# Altium PCB v3stiny.PcbDoc (part 2 of 2)
Units mm, origin at the board's own origin, x right, y up, seen from the top; angles counter-clockwise.
Board outline 63.83 x 34.29 mm, 2 copper layers (Top Layer, Bottom Layer), stack 0.871 mm thick; 140 components, 108 nets, 647 pads, 214 vias.
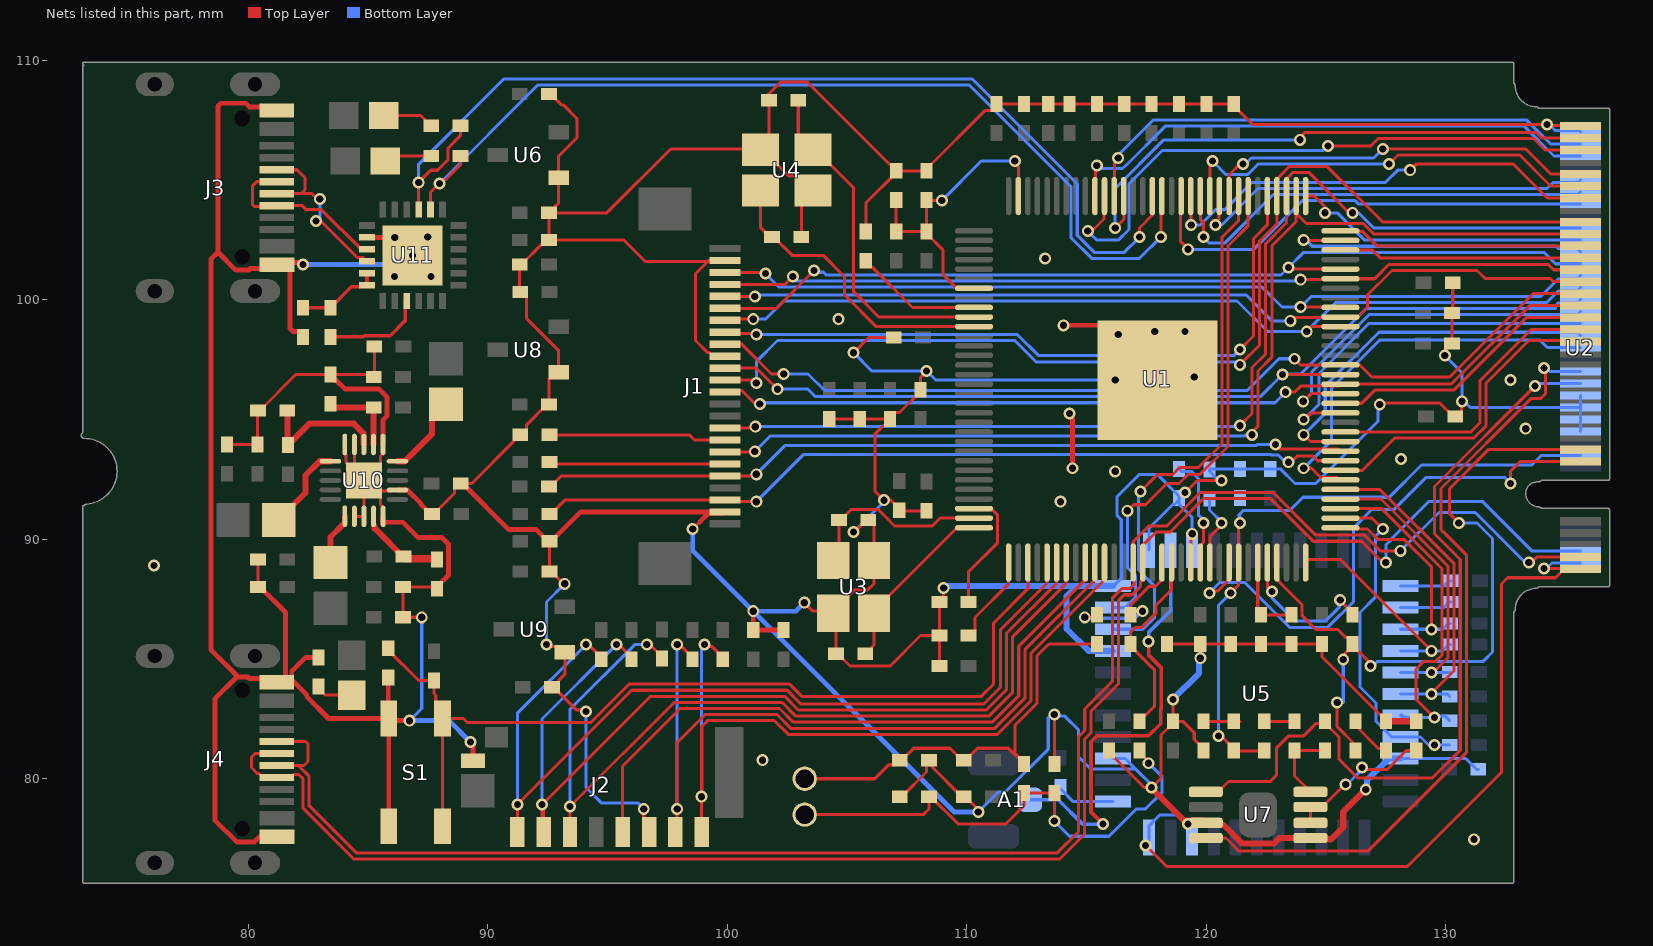
[diagram p2: the nets of this part, all layers, seen from the top]

## Via types
v1: diameter 0.5, hole 0.3, Top Layer to Bottom Layer, tented both sides, 214 vias

## Nets (pads, with @x,y where several pads share a name; then routed paths per layer and width w, separated by ;. In a path a pad name is that pad's centre, name@x,y a point inside that pad or via, vN(x,y) a via of type N, cw(c..) or ccw(c..) an arc to the next point about the centre after c; other vN are vias at no path point) (continued)
GND: C1.2 C2.2 C3.2 C5.1 C6.1 C7.2 C8.1 C9.1 C10.1 C11.1 C12.1 C13.1 C14.1 C15.1 C16.1 C17.1 C18.1 C19.1 C20.1 C21.1 C22.1 C23.1 C24.1 C25.1 C26.1 C27.1 C28.1 C29.1 C30.1 C31.1 C32.2 C33.1 C34.1 C35.1 C37.2 C38.1 C39.2 C40.2 C41.2 C42.1 C44.1 C45.1 C46.1 C47.1 C48.1 C49.1 C50.1 C51.1 C52.1 C53.1 C55.1 C56.1 C57.1 C58.2 C60.2 C61.2 C62.2 C63.1 C64.2 C65.2 C66.2 C67.2 C69.2 C70.2 C71.2 C73.2 C74.2 C75.1 J1.2 J1.15 J1.23 J2.6 J2.10 J3.A1 J3.A12 J3.B1 J3.B12 J4.A1 J4.A12 J4.B1 J4.B12 R1.2 R2.1 R4.2 R6.2 R11.2 R16.1 R25.2 R36.2 R38.2 R39.1 R41.2 S1.1 U1.116 U1.129 U2.1 U2.2 U2.46 U2.48 U2.50 U2.52 U2.74 U2.75 U3.2 U3.4 U4.2 U4.4 U5.1 U5.3 U5.20 U5.31 U5.33 U5.36 U5.41 U5.44 U6.1 U7.1 U7.7 U8.1 U9.1 U10.1 U10.4 U10.5 U10.12 U10.13 U10.15 U10.17 U10.21 U11.2 U11.25 | length 459.3
  Top Layer w0.127: C69.2@79.121,93.955 C70.2@80.391,93.955 80.391,95.352 R38.2@80.416,95.377 80.493,95.377 81.991,96.876 R41.2@83.439,96.876 85.141,96.876 C74.2@85.242,96.774 85.268,96.799 C73.2@85.268,98.044 ; C67.2@80.416,88.011 C64.2@80.416,89.154 ; U10.5@84.036,93.956 84.036,93.586 84.077,93.546 84.077,93.215 U10.21@84.436,92.856 ; U10.12@84.436,90.956 U10.13@84.836,90.956 U10.21@84.836,92.456 ; U10.4@84.436,93.956 U10.21@84.436,92.856 ; U10.21@85.344,91.948 85.523,91.769 85.523,91.439 85.636,91.326 U10.15@85.636,90.956 ; U10.1@85.636,93.956 85.636,93.586 85.523,93.473 85.523,93.143 U10.21@84.836,92.456 ; U10.17@86.236,92.056 86.013,92.056 85.979,92.022 85.27,92.022 U10.21@84.836,92.456 ; v1(87.249,86.741) C60.2@86.462,86.741 C61.2@86.462,88.011 87.808,88.011 R36.2@87.884,87.935 ; C65.2@87.681,91.059 87.757,91.059 88.608,91.91 88.608,92.138 88.798,92.329 C66.2@88.875,92.329 ; C66.2@88.951,92.329 89.332,92.329 91.097,94.094 91.097,94.17 91.288,94.361 R11.2@91.364,94.361 91.44,94.361 91.63,94.551 91.63,94.78 92.481,95.631 C50.1@92.558,95.631 92.558,96.681 92.844,96.967 U8.1@92.969,96.967 92.969,97.873 91.63,99.211 91.63,100.139 91.415,100.355 91.338,100.355 C52.1@91.338,101.473 91.415,101.473 92.24,102.298 92.367,102.298 C46.1@92.558,102.489 ; C44.1@92.558,108.585 92.634,108.585 93.078,108.14 93.154,108.14 93.726,107.569 93.726,106.758 92.969,106.001 U6.1@92.969,105.095 92.969,104.043 92.824,103.899 92.824,103.822 C45.1@92.634,103.632 ; C57.1@92.583,89.916 C56.1@92.583,88.646 92.659,88.646 93.167,88.138 v1(93.218,88.138) ; v1@92.635,85.519 92.987,85.519 U9.1@93.223,85.283 93.223,84.358 92.951,84.087 92.951,84.01 C55.1@92.761,83.82 ; C55.1@92.685,83.82 C55.1@92.761,83.82 ; v1(94.107,82.804) 94.036,82.875 93.705,82.875 C55.1@92.761,83.82 ; v1(96.52,78.74) 96.52,77.978 96.742,77.756 J2.6@96.742,77.781 ; v1(98.564,90.424) 98.863,90.723 ; 99.23,101.643 J1.23@99.906,101.643 ; J1.15@99.906,97.643 99.406,97.643 99.246,97.803 99.177,97.803 98.679,98.301 98.679,101.092 99.187,101.6 96.581,101.6 95.692,102.489 C46.1@92.558,102.489 ; C32.2@103.099,102.616 103.099,104.07 U4.2@103.589,104.56 102.978,105.172 102.577,105.172 101.489,106.26 U4.4@101.389,106.26 ; v1(103.223,87.348) 103.56,87.011 U3.4@104.433,87.011 ; C41.2@104.267,95.021 C40.2@105.537,95.021 C39.2@106.807,95.021 ; v1(105.283,90.297) 105.308,90.297 105.816,90.805 C7.2@105.893,90.805 105.942,90.805 106.133,90.614 U3.2@106.133,89.111 106.133,88.146 105.871,87.884 105.306,87.884 U3.4@104.433,87.011 ; v1(105.283,97.79) 105.918,98.425 C33.1@106.959,98.425 ; R6.2@105.791,102.845 105.791,104.038 107.061,105.308 C37.2@107.061,105.385 ; R39.1@107.213,79.248 107.29,79.248 108.323,80.281 108.323,80.662 C62.2@108.433,80.772 108.433,80.62 109.804,79.248 C58.2@109.88,79.248 109.957,79.248 v1@110.419,78.786 ; R4.2@108.255,105.385 C37.2@107.061,105.385 ; C29.1@108.331,91.186 107.213,91.186 C28.1@107.188,91.211 107.188,91.288 106.845,91.63 v1(106.553,91.63) 106.172,92.011 106.172,94.386 C39.2@106.807,95.021 ; v1(108.331,97.028) 108.331,97.015 108.077,96.761 C13.1@108.077,96.241 108.077,96.164 107.201,95.288 106.998,95.288 106.807,95.098 C39.2@106.807,95.021 ; R4.2@108.331,105.41 108.331,105.461 110.782,107.912 111.061,107.912 111.252,108.102 C23.1@111.252,108.179 C18.1@112.395,108.179 C17.1@113.411,108.179 C19.1@114.3,108.179 C24.1@115.443,108.179 C15.1@116.586,108.179 C3.2@117.729,108.179 C21.1@118.872,108.179 C22.1@120.015,108.179 C20.1@121.158,108.179 121.158,108.102 C20.1@121.183,108.077 ; C16.1@108.864,84.709 C5.1@108.864,85.979 ; v1(109.044,87.962) 109.044,87.556 R1.2@108.864,87.376 C5.1@108.864,85.979 ; C71.2@113.665,80.62 v1(113.665,82.677) ; C35.1@115.951,81.178 115.951,81.102 117.424,79.629 v1(117.729,79.629) 118.118,80.018 118.118,81.821 118.618,82.321 C49.1@118.618,82.398 ; v1(117.475,77.216) 118.351,76.34 128.41,76.34 132.334,80.264 132.334,88.133 132.592,88.391 134.594,88.391 U2.75@134.903,88.699 ; C34.1@118.364,85.623 C10.1@119.761,85.623 ; v1(118.618,83.312) C49.1@118.618,82.398 ; v1(119.126,91.948) 119.13,91.948 119.638,92.456 v1(120.642,92.456) ; U1.116@119.36,89.027 119.38,89.047 119.38,90.182 v1(119.423,90.226) ; v1(119.761,85.033) C10.1@119.761,85.623 ; C48.1@119.888,81.178 119.888,81.255 119.507,81.636 119.507,81.915 119.024,82.398 C49.1@118.618,82.398 ; C20.1@121.031,108.077 C20.1@121.183,108.077 ; v1(127.254,95.631) 127.313,95.69 129.76,95.69 130.327,95.123 C9.1@130.404,95.123 130.48,95.123 130.67,95.313 130.67,95.745 v1(130.683,95.758) ; R16.1@127.533,82.398 124.841,85.09 C27.1@124.841,85.623 C2.2@123.571,85.623 C1.2@122.301,85.623 C8.1@121.031,85.623 C10.1@119.761,85.623 ; v1(129.972,97.671) 130.01,97.709 130.01,97.98 130.2,98.171 C25.1@130.277,98.171 C26.1@130.277,99.441 130.302,99.466 C14.1@130.302,100.711 ; v1(134.112,88.773) 134.829,88.773 U2.75@134.903,88.699 ; U2.1@135.636,107.253 135.605,107.284 134.27,107.284 v1(134.239,107.315) 121.945,107.315 C20.1@121.183,108.077 ; U10.21@84.436,92.856 U10.21@84.836,92.456 ; C46.1@92.558,102.489 C45.1@92.558,103.632 C45.1@92.634,103.632 ; C45.1@92.634,103.632 94.979,103.632 97.646,106.299 101.35,106.299 U4.4@101.389,106.26 ; U4.4@101.389,106.26 101.752,106.623 C38.1@101.752,108.331 101.829,108.331 101.651,108.509 102.235,109.093 103.353,109.093 106.794,105.651 106.87,105.651 107.061,105.461 C37.2@107.061,105.385 ; U3.4@104.433,87.011 U3.4@104.433,86.911 104.546,86.798 C6.1@104.546,85.217 104.623,85.217 105.131,84.709 106.807,84.709 108.077,85.979 C5.1@108.864,85.979 ; U2.75@134.903,88.699 134.956,88.753 U2.75@135.636,88.753 135.583,88.699 U2.75@134.903,88.699
  Top Layer w0.203: C67.2@80.416,88.011 80.493,88.011 81.565,86.939 81.565,84.226 J4.A1@81.516,84.178 ; J3.A1@81.198,108.054 80.054,108.054 79.904,108.204 78.859,108.204 78.74,108.085 78.74,101.981 ; J4.B1@81.206,77.728 80.631,77.728 80.262,77.359 79.527,77.359 78.613,78.273 78.613,83.333 79.527,84.247 79.582,84.247 ; J3.A12@81.206,101.304 80.093,101.304 80.024,101.235 79.486,101.235 78.74,101.981 ; J3.B1@81.206,101.604 81.254,101.556 J3.B1@81.748,101.556 ; C63.1@82.296,98.45 82.296,98.527 82.144,98.679 81.872,98.679 81.748,98.804 J3.B1@81.748,101.556 ; v1(82.296,101.473) 82.216,101.473 82.133,101.556 J3.B1@81.748,101.556 ; R25.2@82.931,85.065 82.403,85.065 81.821,84.483 81.821,84.226 J4.A1@81.773,84.178 ; R41.2@83.439,96.876 83.439,96.799 83.591,96.647 83.668,96.647 84.049,96.266 85.471,96.266 85.801,95.936 85.801,95.155 85.636,94.99 U10.1@85.636,93.956 ; U11.2@84.961,102.604 v1(86.118,102.604) v1(86.868,101.854) ; U10.15@85.636,90.956 85.636,90.709 85.638,90.708 86.463,90.708 87.102,90.068 88.095,90.068 88.367,89.797 88.367,88.494 87.884,88.011 R36.2@87.884,87.935 ; C42.1@85.852,84.226 85.852,82.532 S1.1@85.87,82.514 ; S1.1@85.87,78.014 S1.1@85.87,82.514 ; U10.17@86.236,92.056 86.238,92.054 86.652,92.054 87.224,91.483 87.224,91.44 87.605,91.059 C65.2@87.681,91.059 ; v1(86.741,82.423) 85.961,82.423 S1.1@85.87,82.514 ; C66.2@88.875,92.329 88.951,92.329 90.881,90.399 92.024,90.399 92.507,89.916 C57.1@92.583,89.916 92.659,89.916 93.886,91.143 99.809,91.143 99.858,91.095 99.234,91.095 98.863,90.723 ; v1(89.281,81.534) 89.281,81.454 89.392,81.343 J2.10@89.392,80.756 ; v1(101.092,86.995) C12.1@101.092,86.208 C11.1@102.362,86.208 ; v1(114.046,98.933) 115.679,98.933 U1.129@117.972,96.64 ; v1(114.3,95.25) 114.3,95.17 114.427,95.043 v1(114.427,92.964) ; 78.74,101.981 78.446,101.687 78.446,85.382 79.582,84.247 ; 79.582,84.247 79.985,84.247 80.054,84.178 J4.A1@81.198,84.178 J4.A1@81.516,84.178 ; J4.A1@81.516,84.178 J4.A1@81.773,84.178 ; J4.A1@81.773,84.178 82.448,83.502 82.448,83.421 83.355,82.514 S1.1@85.87,82.514
  Top Layer w0.254: v1(117.729,79.629) 117.729,79.598 119.082,78.245 119.901,78.245 U7.7@119.99,78.156 120.078,78.067 120.737,78.067 121.512,77.292 122.836,77.292 123.065,77.521 U7.1@124.358,77.521 124.409,77.47 125.222,77.47 125.73,77.978 125.73,78.613 v1(126.67,79.553) ; R16.1@127.457,82.423 127.483,82.398 R16.1@127.508,82.398 127.533,82.398 C75.1@128.778,82.398
  Bottom Layer w0.127: v1(86.741,82.423) 87.249,82.931 v1(87.249,86.741) ; v1(92.456,85.598) 92.456,87.376 v1(93.218,88.138) ; v1(94.107,82.804) 94.107,79.633 94.746,78.994 96.266,78.994 v1(96.52,78.74) ; v1(105.283,90.297) 106.553,91.567 v1(106.553,91.63) ; v1(105.283,97.79) 106.045,97.028 v1(108.331,97.028) 108.712,96.647 v1(116.205,96.647) ; v1(110.49,78.613) 111.323,79.446 111.621,79.446 113.411,81.236 113.411,82.55 113.538,82.677 v1(113.665,82.677) 113.732,82.61 114.105,82.61 114.673,82.042 114.673,80.922 115.195,80.4 117.064,80.4 ; U5.36@116.123,80.841 116.623,80.841 117.064,80.4 ; U5.44@116.123,88.041 116.459,88.376 116.459,90.817 116.273,91.004 116.273,91.762 117.221,92.71 117.958,92.71 118.872,91.796 C31.1@118.872,91.719 C31.1@118.872,91.643 ; v1(117.475,77.216) 117.623,77.364 U5.33@117.623,77.541 117.623,78.041 118.064,78.481 118.877,78.481 v1(119.253,78.105) ; U5.1@117.623,89.541 117.623,90.471 118.605,91.453 118.681,91.453 C31.1@118.872,91.643 ; v1(117.729,79.629) 117.729,79.735 117.064,80.4 ; C31.1@119.081,91.903 v1(119.126,91.948) ; v1(119.423,90.226) 119.423,90.911 118.872,91.462 C31.1@118.872,91.643 ; v1@120.452,92.527 120.142,92.837 R2.1@120.142,92.913 120.167,92.939 C30.1@121.412,92.939 C53.1@122.682,92.939 123.105,92.939 123.714,92.329 124.587,92.329 127.183,94.925 127.183,95.56 v1(127.254,95.631) ; U5.20@128.123,80.841 130.843,80.841 131.293,80.391 C47.1@131.369,80.391 ; v1(129.972,97.671) 130.683,96.96 v1(130.683,95.758) 130.784,95.758 131.038,95.504 U2.48@135.636,95.504 ; v1(134.112,88.773) 134.213,88.773 134.444,89.004 U2.74@135.636,89.004 ; v1(134.239,107.315) 134.34,107.315 134.596,107.059 135.58,107.059 U2.2@135.636,107.003 ; U2.52@135.636,94.504 U2.50@135.636,95.004 U2.48@135.636,95.504 ; U2.46@135.636,96.004 U2.48@135.636,95.504
  Bottom Layer w0.203: v1(82.296,101.473) 86.233,101.473 86.614,101.854 v1(86.868,101.854) ; v1(86.741,82.423) 88.392,82.423 v1(89.281,81.534) ; v1(98.564,90.424) 98.564,89.523 v1(101.092,86.995) ; v1(103.223,87.348) 102.87,86.995 v1(101.092,86.995) ; v1(110.49,78.613) 109.474,78.613 v1(101.092,86.995)
  Bottom Layer w0.254: v1(109.044,87.962) 109.123,88.041 114.584,88.041 ; U5.41@116.123,85.341 115.095,85.341 114.173,86.262 114.173,87.63 114.584,88.041 ; U5.44@116.123,88.041 114.584,88.041 ; v1(118.618,83.312) 119.714,84.408 119.714,84.986 v1(119.761,85.033) ; v1@126.721,79.553 126.717,79.557 126.717,79.93 127.627,80.841 U5.20@128.123,80.841
  other v1: 131.191,77.47 101.473,80.772 76.073,88.9 113.919,91.567 116.205,92.837 128.143,93.345 133.35,94.615 132.715,96.647 119.507,96.774 116.332,98.552 117.856,98.679 119.126,98.679 104.648,99.187 86.106,100.965 87.63,100.965 113.284,101.727 87.503,102.616
HPCOM: C54.1 R15.1 U1.125 U2.55 | length 30.9
  Top Layer w0.127: U1.125@122.96,89.027 122.96,88.314 123.054,88.22 123.055,88.215 124.015,87.254 124.015,86.804 124.587,86.233 125.501,86.233 125.844,85.89 125.92,85.89 126.111,85.7 R15.1@126.111,85.623 R15.1@126.111,85.576 ; v1@125.476,83.109 v1(125.476,83.185) ; v1@125.501,83.109 125.476,83.083 125.476,82.173 126.162,81.487 C54.1@126.162,81.178 ; v1(125.73,84.984) 125.801,85.055 125.801,85.238 126.111,85.547 R15.1@126.111,85.576 ; C54.1@126.238,81.153 C54.1@126.238,81.178 ; v1(126.873,84.709) 126.802,84.78 126.802,84.886 R15.1@126.111,85.576 ; v1(130.556,90.678) 130.175,91.059 130.175,92.119 131.809,93.753 U2.55@135.636,93.753
  Bottom Layer w0.127: 125.73,83.185 v1(125.73,84.984) ; v1(126.873,84.709) 126.974,84.709 127.165,84.9 131.575,84.9 131.966,85.29 131.966,90.03 131.318,90.678 v1(130.556,90.678)
HPCOMFB: R15.2 U1.124 | length 6.2
  Top Layer w0.127: U1.124@122.56,89.027 122.56,88.006 v1(122.748,87.818) ; v1(125.603,87.465) 125.603,87.427 126.111,86.919 R15.2@126.111,86.843
  Bottom Layer w0.127: v1(122.748,87.818) 122.748,87.556 123.728,86.576 124.978,86.576 125.563,87.162 125.563,87.425 v1(125.603,87.465)
HPOUL: C43.2 R10.1 U1.121 U2.56 | length 27.1
  Top Layer w0.127: v1(120.523,81.788) 120.594,81.717 120.696,81.717 121.031,81.382 R10.1@121.031,81.153 ; v1(121.031,87.757) 121.36,88.086 U1.121@121.36,89.027 121.36,90.626 v1(121.412,90.678) ; R10.1@121.158,81.178 121.183,81.153 C43.2@122.428,81.153
  Bottom Layer w0.127: v1(120.523,81.788) 120.523,87.249 v1(121.031,87.757) ; v1(121.412,90.678) 121.412,90.955 121.36,91.007 121.552,91.199 123.491,91.199 124.045,91.753 127.651,91.753 128.994,93.096 133.604,93.096 134.012,93.504 U2.56@135.636,93.504
HPOUTR: U1.120 U2.57 | length 23.4
  Top Layer w0.127: v1(120.142,87.757) 120.213,87.828 120.478,87.828 120.866,88.215 120.866,88.22 120.96,88.314 U1.120@120.96,89.027 ; v1(132.715,92.329) 132.715,92.837 133.131,93.253 U2.57@135.636,93.253
  Bottom Layer w0.127: v1(120.142,87.757) 120.582,88.197 121.607,88.197 123.482,86.322 125.083,86.322 126.164,87.403 126.164,90.477 126.932,91.245 127.861,91.245 129.199,92.583 132.461,92.583 v1(132.715,92.329)
MICIN1N: C4.1 C72.1 U1.114 | length 8.2
  Top Layer w0.127: C72.1@117.221,82.398 117.856,83.033 117.856,84.531 116.84,85.547 C4.1@116.84,85.623 116.84,86.106 117.056,86.322 117.31,86.322 117.919,86.931 117.919,87.252 118.56,87.892 U1.114@118.56,89.027
MICIN1P: C4.2 C59.1 U1.113 | length 6.6
  Top Layer w0.127: v1(114.935,86.741) 115.341,86.741 C59.1@115.443,86.843 ; v1(117.348,86.995) 116.992,86.995 C4.2@116.84,86.843 116.84,87.243 117.633,88.037 117.887,88.037 118.14,88.29 118.14,89.007 U1.113@118.16,89.027
  Bottom Layer w0.127: v1(114.935,86.741) 114.976,86.7 117.02,86.7 117.315,86.995 v1(117.348,86.995)
NetA1_1: A1.1 U5.2 | length 18.2
  Top Layer w0.152: v1(115.697,78.105) 115.194,78.608 115.194,81.539 115.443,81.788 117.602,81.788 118.11,82.296 118.11,82.909 118.123,82.922 118.123,84.642 117.602,85.162 v1(117.602,85.725)
  Bottom Layer w0.152: A1.1@112.649,79.121 113.83,79.121 114.846,78.105 v1(115.697,78.105) ; v1(117.602,85.725) 117.602,86.106 118.523,87.027 U5.2@118.523,89.541
NetC1_1: C1.1 C2.1 U1.123 | length 3.5
  Top Layer w0.127: U1.123@122.16,89.027 122.16,86.984 C1.1@122.301,86.843 C2.1@123.571,86.843
NetC5_2: C5.2 U1.97 | length 3.8
  Top Layer w0.127: C5.2@110.084,85.979 110.16,85.979 110.35,86.169 110.35,86.728 111.76,88.138 U1.97@111.76,89.027
NetC6_2: C6.2 U1.96 U3.1 | length 7.6
  Top Layer w0.127: C6.2@105.766,85.217 105.842,85.217 106.032,85.407 106.032,85.484 106.133,85.584 U3.1@106.133,86.911 106.133,87.011 109.6,90.478 U1.96@110.309,90.478
NetC7_1: C7.1 U1.95 U3.3 | length 8
  Top Layer w0.127: U3.3@104.433,89.111 104.673,89.351 C7.1@104.673,90.805 104.75,90.805 105.194,91.249 106.302,91.249 106.591,90.96 106.591,90.955 106.995,90.551 108.567,90.551 108.894,90.878 U1.95@110.309,90.878
NetC32_1: C32.1 U1.75 U4.1 | length 12.6
  Top Layer w0.127: U4.1@101.389,104.56 101.389,103.03 101.803,102.616 C32.1@101.879,102.616 101.956,102.616 102.718,101.854 104.013,101.854 104.902,100.965 104.902,100.203 106.227,98.878 U1.75@110.309,98.878
NetC38_2: C38.2 U1.74 U4.3 | length 14.5
  Top Layer w0.127: C38.2@102.972,108.331 102.972,106.872 103.583,106.26 U4.3@103.589,106.26 103.689,106.26 105.283,104.666 105.283,100.33 106.335,99.278 U1.74@110.309,99.278
NetC43_1: C43.1 R8.2 | length 1.2
  Top Layer w0.127: C43.1@122.428,82.398 123.546,82.398 R8.2@123.571,82.423
NetC48_2: C48.2 R10.2 | length 1.3
  Top Layer w0.127: 120.142,82.398 121.412,82.398
NetC54_2: C54.2 R16.2 | length 1.9
  Top Layer w0.127: C54.2@126.136,82.245 126.238,82.245 126.213,82.22 126.238,82.22 127.203,81.255 127.508,81.255 R16.2@127.508,81.178
NetC59_2: C59.2 C62.1 C68.1 R27.2 U12.2 | length 17.8
  Top Layer w0.127: U12.2@103.24,79.998 106.172,79.998 106.755,80.581 107.023,80.581 C62.1@107.213,80.772 107.29,80.772 107.79,81.272 109.304,81.272 109.804,80.772 R27.2@109.88,80.772 109.957,80.772 110.457,81.272 111.743,81.272 112.128,80.886 C68.1@112.204,80.886 ; C68.1@112.395,80.62 112.395,80.696 C68.1@112.204,80.886 ; C59.2@115.443,85.623 113.436,85.623 112.941,85.128 112.941,83.145 112.014,82.218 112.014,81.077 C68.1@112.204,80.886
NetC63_2: C63.2 R28.1 U11.5 U11.6 | length 3.6
  Top Layer w0.152: C63.2@82.296,99.67 R28.1@83.439,99.67 84.31,100.54 84.704,100.54 84.768,100.604 U11.6@84.961,100.604 U11.5@84.961,101.104
NetC68_2: C68.2 C71.1 C72.2 R39.2 U12.1 | length 21.2
  Top Layer w0.127: U12.1@103.24,78.498 108.192,78.498 108.433,78.739 R39.2@108.433,79.248 108.509,79.248 109.652,78.105 111.633,78.105 112.395,78.867 C68.2@112.395,79.4 C71.1@113.665,79.4 v1(113.665,78.232) ; C72.2@117.196,81.153 C72.2@117.221,81.178 117.221,81.102 117.602,80.721 v1(117.602,80.645)
  Bottom Layer w0.127: v1(113.665,78.232) 114.3,77.597 115.949,77.597 117.092,78.74 117.475,78.74 118.169,79.434 118.169,80.078 v1(117.602,80.645)
NetC75_2: C75.2 U7.2 U7.3 | length 6.1
  Top Layer w0.127: U7.2@124.46,78.232 124.431,78.232 124.358,78.305 U7.3@124.358,78.816 124.857,78.816 125.796,79.756 v1(125.832,79.756) ; v1@126.467,80.391 127.574,80.391 128.362,81.178 C75.2@128.778,81.178
  Bottom Layer w0.127: v1(125.832,79.756) 125.882,79.756 v1@126.517,80.391 ; v1@126.479,80.429 v1(126.517,80.467)
NetDS1_2: DS1.2 R25.1 | length 1.6
  Top Layer w0.127: R25.1@82.931,83.845 82.931,83.769 83.207,83.493 DS1.2@84.328,83.493
NetDS2_2: DS2.2 R26.1 | length 2.1
  Top Layer w0.127: DS2.2@85.671,107.696 87.214,107.696 R26.1@87.643,107.267
NetDS3_2: DS3.2 R34.1 | length 2
  Top Layer w0.127: DS3.2@85.725,105.791 85.931,105.997 R34.1@87.643,105.997
NetJ1_6: J1.6 R12.1 | length 7.4
  Top Layer w0.127: R12.1@92.583,93.218 92.658,93.143 J1.6@99.906,93.143
NetJ1_8: J1.8 R11.1 | length 7.4
  Top Layer w0.127: R11.1@92.583,94.361 98.425,94.361 98.643,94.143 J1.8@99.906,94.143
NetL1_2: L1.2 U10.11 | length 2.2
  Top Layer w0.254: L1.2@83.439,89.027 83.439,90.092 83.98,90.633 84.009,90.633 84.036,90.66 U10.11@84.036,90.956
NetL2_2: L2.2 U10.6 | length 3.6
  Top Layer w0.254: L2.2@81.28,90.79 L2.2@81.28,90.805 81.28,90.82 82.394,91.934 82.394,92.664 82.985,93.256 U10.6@83.436,93.256
NetL3_2: L3.2 U10.20 | length 3.4
  Top Layer w0.254: U10.20@86.236,93.256 86.532,93.256 87.682,94.406 87.682,95.063 88.25,95.631 L3.2@88.265,95.631
NetR1_1: R1.1 U1.94 | length 5.2
  Top Layer w0.127: R1.1@110.084,87.376 110.084,88.641 111.3,89.857 111.3,91.004 111.121,91.183 111.117,91.183 111.022,91.278 U1.94@110.309,91.278
NetR6_1: R6.1 U1.73 | length 5.4
  Top Layer w0.127: R6.1@105.791,101.625 105.791,101.549 105.981,101.359 106.058,101.359 107.739,99.678 U1.73@110.309,99.678
NetR7_1: R7.1 U5.34 | length 2.4
  Bottom Layer w0.127: R7.1@113.919,79.578 114.457,79.041 U5.34@116.123,79.041
NetR8_1: R8.1 R9.2 U7.4 | length 3.4
  Top Layer w0.127: R8.1@123.698,81.28 123.8,81.178 R8.1@123.825,81.178 ; U7.4@124.358,79.451 123.698,80.112 123.698,80.848 123.825,80.975 R8.1@123.825,81.178 ; R9.2@124.968,81.178 R8.1@123.825,81.178
NetR17_2: R17.2 U5.12 | length 2.2
  Bottom Layer w0.127: U5.12@128.123,88.041 129.925,88.041 130.15,88.265 R17.2@130.226,88.265
NetR18_2: R18.2 U5.13 | length 2.2
  Bottom Layer w0.127: U5.13@128.123,87.141 129.914,87.141 130.15,87.376 R18.2@130.226,87.376
NetR28_2: R28.2 U11.9 | length 4.2
  Top Layer w0.152: R28.2@83.439,98.45 84.803,98.45 84.853,98.501 85.928,98.501 86.554,99.127 86.554,99.883 U11.9@86.618,99.947
NetR35_1: R35.1 R36.1 U10.14 | length 6
  Top Layer w0.127: R35.1@86.487,89.281 87.757,89.281 87.82,89.218 87.878,89.16 R36.1@87.884,89.154
  Top Layer w0.254: U10.14@85.282,90.551 85.282,90.459 86.587,89.154 R36.1@87.884,89.154 ; R35.1@86.487,89.281 86.55,89.218 R36.1@87.82,89.218
NetR37_1: R37.1 R38.1 U10.3 | length 5.7
  Top Layer w0.254: R38.1@81.636,95.377 81.648,95.364 81.648,93.942 R37.1@81.661,93.929 81.661,94.005 81.788,94.132 81.864,94.132 82.559,94.827 84.415,94.827 84.809,94.434 84.809,93.983 U10.3@84.836,93.956
NetR40_1: R40.1 R41.1 U10.2 | length 3.4
  Top Layer w0.254: R41.1@83.439,95.656 83.439,95.631 83.566,95.504 R40.1@85.242,95.504 85.239,95.501 85.239,93.959 U10.2@85.236,93.956
PB0/UART2_TX: U1.39 U5.43 | length 21
  Top Layer w0.127: v1(116.713,91.186) 116.967,91.44 117.475,91.44 118.364,92.329 118.872,92.329 119.253,92.71 119.752,92.71 120.916,93.875 120.916,102.247 121.76,103.091 U1.39@121.76,104.329
  Bottom Layer w0.127: U5.43@116.123,87.141 116.623,87.141 117.064,87.581 117.064,88.471 116.713,88.822 v1(116.713,91.186)
PB1/UART2_RX: U1.40 U5.42 | length 22.4
  Top Layer w0.127: v1(117.265,91.992) 117.983,92.71 118.618,92.71 118.908,93 119.682,93 120.662,93.98 120.662,102.616 121.36,103.314 U1.40@121.36,104.329
  Bottom Layer w0.127: U5.42@116.123,86.241 117.356,86.241 117.856,86.741 117.856,88.038 117.183,88.712 117.183,91.91 v1(117.265,91.992)
PB2: U1.41 U2.9 | length 16.4
  Top Layer w0.127: U1.41@120.96,104.329 120.96,105.212 121.412,105.664 v1(121.539,105.664) ; v1(127.381,106.299) 133.35,106.299 134.396,105.253 U2.9@135.636,105.253
  Bottom Layer w0.127: v1(121.539,105.664) 121.64,105.664 121.894,105.918 127,105.918 v1(127.381,106.299)
PB3: U1.42 U2.10 | length 17.3
  Top Layer w0.127: v1(120.396,103.124) 120.396,103.225 120.54,103.369 120.54,104.309 U1.42@120.56,104.329
  Bottom Layer w0.127: v1(120.396,103.124) 120.65,103.124 122.174,104.648 134.239,104.648 134.489,104.898 135.529,104.898 U2.10@135.636,105.004
PB4/DC: U1.43 U2.11 | length 18
  Top Layer w0.127: U1.43@120.16,104.329 120.16,105.581 120.269,105.69 v1(120.269,105.791) ; v1(127.635,105.664) 128.016,106.045 133.096,106.045 134.388,104.753 U2.11@135.636,104.753
  Bottom Layer w0.127: v1(120.269,105.791) 120.836,105.224 121.734,105.224 122.174,105.664 v1(127.635,105.664)
PB5: U1.44 U2.12 | length 18.5
  Top Layer w0.127: U1.44@119.76,104.329 119.76,103.367 119.888,103.239 v1(119.888,102.616)
  Bottom Layer w0.127: v1(119.888,102.616) 120.142,102.362 120.777,102.362 122.809,104.394 135.526,104.394 U2.12@135.636,104.504
PB6: U1.45 U2.13 | length 19.1
  Top Layer w0.127: U1.45@119.36,104.329 119.37,104.319 119.37,103.134 v1(119.38,103.124) ; v1(128.524,105.41) 128.778,105.664 132.842,105.664 134.253,104.253 U2.13@135.636,104.253
  Bottom Layer w0.127: v1(119.38,103.124) 119.761,103.124 120.396,103.759 120.777,103.759 121.92,104.902 127.496,104.902 128.004,105.41 v1(128.524,105.41)
PB7: U1.46 U2.14 | length 19.6
  Top Layer w0.127: U1.46@118.96,104.329 118.94,104.308 118.94,102.422 v1(119.253,102.108)
  Bottom Layer w0.127: v1(119.253,102.108) 121.988,102.108 124.02,104.14 126.226,104.14 126.362,104.004 U2.14@135.636,104.004
PB8/UART0_TX: R34.2 U1.48 U11.20 | length 41
  Top Layer w0.127: U11.20@87.618,103.761 87.618,104.486 v1(87.988,104.857) 88.093,104.857 88.862,105.626 R34.2@88.862,105.997 ; v1(118.11,102.616) 118.11,104.279 U1.48@118.16,104.329
  Bottom Layer w0.127: v1(87.988,104.857) 92.098,108.966 110.109,108.966 114.368,104.707 114.368,102.582 115.223,101.727 117.221,101.727 v1(118.11,102.616)
PB9/UART0_RX: R26.2 U1.49 U11.21 | length 43.3
  Top Layer w0.127: U11.21@87.118,103.761 87.12,103.763 87.12,104.9 v1(87.122,104.902) 87.628,105.408 87.907,105.408 88.341,105.842 88.341,106.33 88.862,106.851 R26.2@88.862,107.267 R26.2@88.786,107.267 ; v1(117.221,102.616) 117.221,102.997 117.76,103.536 U1.49@117.76,104.329
  Bottom Layer w0.127: v1(87.122,104.902) 87.122,105.664 90.678,109.22 110.236,109.22 114.622,104.834 114.622,102.688 115.328,101.981 116.586,101.981 v1(117.221,102.616)
PC0/SPI_MISO: U1.52 U2.3 | length 23.7
  Top Layer w0.127: v1(116.205,102.997) 116.573,103.365 116.573,104.316 U1.52@116.56,104.329 ; v1@123.825,106.807 123.952,106.807 124.138,106.993 133.777,106.993 134.017,106.753 U2.3@135.636,106.753
  Bottom Layer w0.127: v1(116.205,102.997) 116.205,104.648 118.237,106.68 v1(123.92,106.68)
PC1/SPI_CLK: U1.53 U2.4 | length 22.2
  Top Layer w0.127: U1.53@116.16,104.329 116.18,104.348 116.18,105.893 116.205,105.918 v1(116.332,105.918)
  Bottom Layer w0.127: v1(116.332,105.918) 116.332,106.045 117.788,107.501 133.396,107.501 134.393,106.504 U2.4@135.636,106.504
PC2/SPI_CS: U1.54 U2.5 | length 25.7
  Top Layer w0.127: v1(115.062,102.87) 115.239,102.87 115.74,103.371 115.74,104.309 U1.54@115.76,104.329 ; v1(125.095,106.426) 126.885,106.426 127.199,106.739 133.672,106.739 134.158,106.253 U2.5@135.636,106.253
  Bottom Layer w0.127: v1(115.062,102.87) 115.443,102.489 116.332,102.489 116.781,102.938 116.781,104.843 118.169,106.231 124.9,106.231 v1(125.095,106.426)
PC3/SPI_MOSI: U1.55 U2.6 | length 22.8
  Top Layer w0.127: U1.55@115.36,104.329 115.38,104.348 115.38,105.545 v1(115.439,105.605)
  Bottom Layer w0.127: v1(115.439,105.605) 115.566,105.478 116.514,105.478 116.641,105.605 116.654,105.605 118.296,107.247 133.291,107.247 134.534,106.004 U2.6@135.636,106.004
PE0/LCD_CLK: J1.17 U1.37 | length 28.9
  Top Layer w0.127: J1.17@99.906,98.643 99.952,98.598 101.173,98.598 v1(101.219,98.552) ; v1(121.412,97.917) 121.979,98.484 121.979,102.548 122.56,103.129 U1.37@122.56,104.329
  Bottom Layer w0.127: v1(101.219,98.552) 112.119,98.552 113.008,97.663 121.158,97.663 v1(121.412,97.917)
PE1/LCD_DE: J1.13 U1.36 U2.17 | length 46
  Top Layer w0.127: J1.13@99.906,96.643 99.908,96.645 101.094,96.645 v1(101.22,96.519) ; v1(121.412,97.282) 122.233,98.103 122.233,102.443 122.96,103.17 U1.36@122.96,104.329 122.96,105.041 123.054,105.136 123.054,105.14 123.487,105.573 125.047,105.573 127.367,103.253 U2.17@135.636,103.253 U2.17@136.142,103.253
  Bottom Layer w0.127: v1(101.22,96.519) 101.22,97.41 102.108,98.298 112.014,98.298 112.903,97.409 121.285,97.409 v1(121.412,97.282)
PE2/LCD_HSYNC: J1.9 U1.35 U2.18 | length 46
  Top Layer w0.127: J1.9@99.906,94.643 101.12,94.643 v1(101.177,94.7) ; v1(121.412,94.742) 121.92,95.25 121.92,97.167 122.487,97.735 122.487,102.338 123.36,103.211 U1.35@123.36,104.329 123.36,105.041 123.455,105.136 123.455,105.14 123.633,105.319 124.287,105.319 125.974,103.632 v1(126.111,103.632)
  Bottom Layer w0.127: v1(101.177,94.7) 121.37,94.7 v1(121.412,94.742) ; v1(126.111,103.632) 126.365,103.632 126.993,103.004 U2.18@135.636,103.004
PE3/LCD_VSYNC: J1.7 U1.34 U2.19 | length 44.7
  Top Layer w0.127: J1.7@99.906,93.643 101.136,93.643 v1(101.157,93.664) ; v1(121.92,94.361) 121.92,94.462 122.174,94.716 122.174,97.028 122.75,97.604 122.75,102.241 123.76,103.251 U1.34@123.76,103.616 ; U1.34@123.76,103.79 U1.34@123.76,103.616 ; U2.19@135.636,102.753 126.99,102.753 126.56,103.183 124.188,103.183 123.854,103.517 123.854,103.521 U1.34@123.76,103.616
  Bottom Layer w0.127: v1(101.157,93.664) 101.795,94.302 121.594,94.302 121.654,94.361 v1(121.92,94.361)
PE4/LCD_D2: U1.33 U2.20 | length 12.4
  Top Layer w0.127: U1.33@124.16,104.329 124.522,104.329 124.968,103.882 v1(124.968,103.632)
  Bottom Layer w0.127: v1(124.968,103.632) 125.476,103.632 126.606,102.502 U2.20@135.635,102.502
PE5/LCD_D3: U1.32 U2.21 | length 10.3
  Top Layer w0.127: U1.32@125.611,102.878 125.631,102.858 126.526,102.858 127.131,102.253 U2.21@135.636,102.253
PE6/LCD_D4: U1.31 U2.22 | length 13.3
  Top Layer w0.127: v1(124.079,102.489) 124.085,102.483 125.605,102.483 U1.31@125.611,102.478
  Bottom Layer w0.127: v1(124.079,102.489) 124.18,102.489 124.434,102.235 134.613,102.235 134.707,102.141 135.499,102.141 U2.22@135.636,102.004
PE7/LCD_D5: U1.30 U2.23 | length 10.2
  Top Layer w0.127: U1.30@125.611,102.078 126.947,102.078 127.272,101.753 U2.23@135.636,101.753
PE8/LCD_D6: J1.19 U1.28 U2.24 | length 39.3
  Top Layer w0.127: J1.19@99.906,99.643 99.914,99.636 102.049,99.636 v1(103.632,101.219) ; v1(123.444,101.346) 123.512,101.278 123.769,101.278 ; 123.77,101.278 124.134,101.278 ; 124.135,101.278 U1.28@125.611,101.278
  Bottom Layer w0.127: v1(103.632,101.219) 103.703,101.148 104.025,101.148 104.14,101.033 123.131,101.033 v1(123.444,101.346) 124.079,101.981 134.112,101.981 134.589,101.504 U2.24@135.636,101.504
PE9/LCD_D7: J1.21 U1.27 U2.25 | length 36.3
  Top Layer w0.127: J1.21@99.906,100.643 102.421,100.643 v1(102.743,100.965) ; v1(123.952,100.838) 125.571,100.838 U1.27@125.611,100.878 127.04,100.878 127.635,101.473 134.285,101.473 134.506,101.253 U2.25@135.636,101.253
  Bottom Layer w0.127: v1(102.743,100.965) 102.929,100.779 123.893,100.779 v1(123.952,100.838)
PE10/LCD_D10: J1.22 U1.24 U2.26 | length 38.5
  Top Layer w0.127: J1.22@99.906,101.143 101.549,101.143 v1(101.6,101.092) ; v1(123.952,99.695) 125.594,99.695 U1.24@125.611,99.678
  Bottom Layer w0.127: v1(101.6,101.092) 102.167,100.525 122.343,100.525 123.173,99.695 v1(123.952,99.695) 124.401,100.144 133.986,100.144 134.707,100.864 135.496,100.864 U2.26@135.636,101.004
PE11/LCD_D11: J1.20 U1.23 U2.27 | length 37.6
  Top Layer w0.127: J1.20@99.906,100.143 99.973,100.076 100.037,100.139 v1(101.155,100.139) ; v1(123.518,99.119) 123.653,99.255 125.588,99.255 U1.23@125.611,99.278 126.328,99.278 126.746,99.696 126.746,100.203 127.762,101.219 131.318,101.219 131.645,100.892 134.366,100.892 134.505,100.753 U2.27@135.636,100.753
  Bottom Layer w0.127: v1(101.155,100.139) 101.219,100.203 121.666,100.203 122.75,99.119 v1(123.518,99.119)
PE12/LCD_D12: J1.18 U1.22 U2.28 | length 38.8
  Top Layer w0.127: J1.18@99.906,99.143 99.95,99.187 v1(101.092,99.187) ; v1(124.206,98.679) 124.405,98.878 U1.22@125.611,98.878
  Bottom Layer w0.127: v1(101.092,99.187) 101.6,99.187 102.362,99.949 121.297,99.949 122.567,98.679 v1(124.206,98.679) 125.417,99.89 134.232,99.89 134.707,100.365 135.497,100.365 U2.28@135.636,100.504
PE13/LCD_D13: J1.16 U1.18 U2.29 | length 38.8
  Top Layer w0.127: J1.16@99.906,98.143 100.612,98.143 101.854,96.901 v1(102.362,96.901) ; v1(123.698,97.536) 123.956,97.278 U1.18@125.611,97.278 126.42,97.278 126.924,96.774 130.175,96.774 133.654,100.253 U2.29@135.636,100.253
  Bottom Layer w0.127: v1(102.362,96.901) 103.378,96.901 104.072,96.207 121.721,96.207 123.051,97.536 v1(123.698,97.536)
PE14/LCD_D14: J1.14 U1.17 U2.30 | length 40.4
  Top Layer w0.127: J1.14@99.906,97.143 101.231,97.143 v1(102.108,96.266) ; v1(123.19,96.878) U1.17@125.611,96.878
  Bottom Layer w0.127: v1(102.108,96.266) 103.378,96.266 103.691,95.953 122.265,95.953 v1(123.19,96.878) 123.213,96.901 123.951,96.901 126.686,99.636 134.596,99.636 134.596,99.753 134.707,99.864 135.496,99.864 U2.30@135.636,100.004
PE15/LCD_D15: J1.12 U1.16 U2.31 | length 37.7
  Top Layer w0.127: J1.12@99.906,96.143 99.967,96.205 100.626,96.205 101.181,95.65 v1(101.365,95.65) ; v1(123.317,96.139) 123.698,96.139 123.952,96.393 125.526,96.393 U1.16@125.611,96.478 130.238,96.478 133.513,99.753 U2.31@135.636,99.753
  Bottom Layer w0.127: v1(101.365,95.65) 101.414,95.699 122.877,95.699 v1(123.317,96.139)
PE16/LCD_D18: U1.15 U2.32 | length 15.3
  Top Layer w0.127: v1(124.056,95.758) 124.079,95.758 124.399,96.078 U1.15@125.611,96.078
  Bottom Layer w0.127: v1(124.056,95.758) 124.4,96.102 124.4,96.968 126.814,99.382 135.514,99.382 U2.32@135.636,99.504
PE17/LCD_D19: U1.14 U2.33 | length 11.5
  Top Layer w0.127: U1.14@125.611,95.678 126.504,95.678 127.05,96.224 130.343,96.224 133.372,99.253 U2.33@135.636,99.253
PE18/LCD_D20: U1.13 U2.34 | length 15.6
  Top Layer w0.127: v1(124.079,94.996) 124.138,94.996 124.42,95.278 U1.13@125.611,95.278
  Bottom Layer w0.127: v1(124.079,94.996) 124.714,95.631 124.714,96.923 126.795,99.004 U2.34@135.636,99.004
PE19/LCD_D21: U1.11 U2.35 | length 12.8
  Top Layer w0.127: U1.11@125.611,94.478 131.054,94.478 131.44,94.864 131.44,96.62 133.572,98.753 U2.35@135.636,98.753
PE20: U1.10 U2.36 | length 15.7
  Top Layer w0.127: v1(124.079,94.361) 124.362,94.078 U1.10@125.611,94.078
  Bottom Layer w0.127: v1(124.079,94.361) 124.978,95.26 124.978,96.403 127.219,98.644 135.496,98.644 U2.36@135.636,98.504
PE21/CSI_SCK: J1.5 R13.1 U1.9 | length 33.9
  Top Layer w0.127: R13.1@92.558,92.202 92.634,92.202 93.075,92.643 J1.5@99.906,92.643 101.152,92.643 v1(101.219,92.71) ; v1(122.906,93.95) 123.084,93.772 125.516,93.772 U1.9@125.611,93.678
  Bottom Layer w0.127: v1(101.219,92.71) 102.43,93.921 122.102,93.921 122.132,93.95 v1(122.906,93.95)
PE22/CSI_SDA: J1.3 R14.1 U1.8 | length 34.4
  Top Layer w0.127: R14.1@92.583,91.059 92.659,91.059 93.243,91.643 J1.3@99.906,91.643 99.982,91.567 v1(101.219,91.567) ; v1(123.45,93.216) 123.551,93.216 123.806,93.472 124.46,93.472 124.654,93.278 U1.8@125.611,93.278
  Bottom Layer w0.127: v1(101.219,91.567) 103.183,93.531 122.702,93.531 122.724,93.51 123.025,93.51 123.319,93.216 v1(123.45,93.216)
PE23/LCD_D22: U1.7 U2.37 | length 13.3
  Top Layer w0.127: U1.7@125.611,92.878 126.533,92.878 127.879,94.224 131.181,94.224 131.699,94.742 131.699,96.52 133.477,98.298 135.591,98.298 U2.37@135.636,98.253
PE24/LCD_D23: U1.6 U2.38 | length 16.9
  Top Layer w0.127: v1(124.079,92.964) 124.408,92.964 124.799,92.572 125.473,92.572 125.589,92.456 U1.6@125.611,92.478
  Bottom Layer w0.127: v1(124.079,92.964) 125.232,94.117 125.232,96.298 127.249,98.315 133.957,98.315 133.957,98.298 134.251,98.004 U2.38@135.636,98.004
RST: C42.2 R5.1 S1.2 U1.99 | length 38.6
  Top Layer w0.127: C42.2@85.852,85.446 85.852,85.369 87.122,84.099 R5.1@87.757,84.099 87.757,83.555 87.833,83.478 87.833,82.801 S1.2@88.12,82.514 ; S1.2@88.12,78.014 S1.2@88.12,82.514 ; U1.99@112.56,89.027 112.56,87.928 111.125,86.493 111.125,83.947 110.617,83.439 103.121,83.439 102.613,83.947 95.907,83.947 94.306,82.346 89.154,82.346 88.986,82.514 S1.2@88.12,82.514
SDOC0_CLK: J2.5 U1.105 | length 27.7
  Top Layer w0.127: J2.5@95.631,77.77 J2.5@95.642,77.781 95.631,77.792 95.631,80.518 98.044,82.931 102.192,82.931 102.764,82.359 111.078,82.359 112.179,83.461 112.179,85.529 114.96,88.31 U1.105@114.96,89.027
SDOC0_CMD: J2.3 R31.1 U1.103 | length 37.5
  Top Layer w0.127: J2.3@93.472,77.751 J2.3@93.442,77.781 v1(93.442,78.837) 97.79,83.185 102.298,83.185 102.869,82.614 110.932,82.614 111.925,83.607 111.925,85.929 114.16,88.164 U1.103@114.16,89.027 ; v1@96.845,85.527 97.282,85.09 R31.1@97.282,85.014
  Bottom Layer w0.127: v1(93.442,78.837) 93.442,82.901 96.139,85.598 v1(96.647,85.598)
SDOC0_D0: J2.7 R30.1 U1.106 | length 34.2
  Top Layer w0.127: J2.7@97.842,77.781 97.917,77.856 v1(97.917,78.74) 97.917,81.512 99.082,82.677 102.087,82.677 102.659,82.105 111.183,82.105 112.433,83.356 112.433,85.383 115.36,88.31 U1.106@115.36,89.027 ; v1(97.917,85.598) 97.988,85.527 98.09,85.527 98.552,85.065 R30.1@98.552,84.988
  Bottom Layer w0.127: v1(97.917,78.74) v1(97.917,85.598)
SDOC0_D1: J2.8 R29.1 U1.107 | length 33.6
  Top Layer w0.127: J2.8@98.942,77.781 98.933,77.79 98.933,79.239 98.942,79.248 98.942,82.178 99.187,82.423 101.981,82.423 102.552,81.852 111.288,81.852 112.687,83.25 112.687,85.237 115.76,88.31 U1.107@115.76,89.027 ; v1(99.06,85.598) 99.131,85.527 99.36,85.527 99.822,85.065 R29.1@99.822,84.988
  Bottom Layer w0.127: v1(98.933,79.248) 98.933,85.471 v1(99.06,85.598)
SDOC0_D2: J2.1 R33.1 U1.101 | length 39.9
  Top Layer w0.127: v1(94.107,85.598) 94.178,85.527 94.28,85.527 94.742,85.065 R33.1@94.742,84.988 R33.1@94.742,84.912 ; U1.101@113.36,89.027 113.36,88.164 111.417,86.221 111.417,83.817 110.721,83.121 103.079,83.121 102.508,83.693 96.012,83.693 v1(91.242,78.923) ; v1(91.242,78.923) 91.242,77.923 91.313,77.852 J2.1@91.242,77.781 v1(91.242,78.923)
  Bottom Layer w0.127: v1(91.242,78.923) 91.242,82.733 v1(94.107,85.598)
SDOC0_D3: J2.2 R32.1 U1.102 | length 39
  Top Layer w0.127: v1(92.272,78.924) 92.272,77.851 J2.2@92.342,77.781 92.342,78.982 96.799,83.439 102.403,83.439 102.974,82.867 110.827,82.867 111.671,83.712 111.671,86.075 113.76,88.164 U1.102@113.76,89.027 ; v1@95.55,85.527 96.012,85.065 R32.1@96.012,84.988
  Bottom Layer w0.127: v1(92.272,78.924) 92.272,82.493 v1(95.377,85.598)
SVREF: C36.2 C37.1 R3.2 R4.1 U1.63 U1.71 | length 13.4
  Top Layer w0.127: C37.1@107.061,104.165 C36.2@107.061,102.845 R3.2@108.331,102.845 ; v1(108.966,104.14) 108.356,104.14 R4.1@108.331,104.165 R3.2@108.331,102.845 ; U1.71@110.309,100.478 110.289,100.498 109.572,100.498 109.01,101.06 109.01,102.09 108.331,102.768 R3.2@108.331,102.845 ; v1(112.014,105.791) 112.014,105.69 112.16,105.544 U1.63@112.16,104.329
  Bottom Layer w0.127: v1(108.966,104.14) 110.617,105.791 v1(112.014,105.791)
USB_DM: J4.A7 J4.B7 U1.110 U2.73 | length 74.1
  Top Layer w0.127: J4.A7@81.198,80.553 82.096,80.553 ; J4.B7@81.198,81.553 82.404,81.553 82.497,81.46 82.497,80.719 82.331,80.553 82.096,80.553 ; v1(128.123,89.515) 127.274,89.515 126.619,90.17 124.587,90.17 122.809,91.948 119.761,91.948 118.364,90.551 117.808,90.551 117.801,90.544 117.595,90.544 116.96,89.909 U1.110@116.96,89.027 116.98,89.007 116.98,88.249 117.001,88.228 117.001,88.123 116.815,87.936 116.484,87.936 116.086,87.538 116.086,84.06 114.935,82.909 114.935,82.016 114.673,81.755 114.673,77.784 113.792,76.903 84.514,76.903 82.55,78.867 82.55,80.099 82.096,80.553 ; v1(133.477,89.027) 133.578,89.027 133.803,89.253 U2.73@135.636,89.253
  Bottom Layer w0.127: v1(128.123,89.515) 129.726,91.118 131.237,91.118 133.328,89.027 v1(133.477,89.027)
USB_DM1: J3.A7 J3.B7 U11.4 | length 7.7
  Top Layer w0.127: J3.A7@81.198,104.429 82.204,104.429 ; J3.B7@81.198,105.429 82.039,105.429 82.37,105.098 82.37,104.595 82.204,104.429 ; v1(82.835,103.282) 83.04,103.282 84.549,101.774 84.783,101.774 84.957,101.6 U11.4@84.961,101.604 ; v1(82.993,104.205) 82.892,104.205 82.668,104.429 82.204,104.429
  Bottom Layer w0.127: v1(82.835,103.282) 82.993,103.44 v1(82.993,104.205)
USB_DP: J4.A6 J4.B6 U1.111 U2.72 | length 75
  Top Layer w0.127: J4.A6@81.198,81.053 80.291,81.053 80.137,80.899 80.137,80.47 80.394,80.213 80.463,80.213 80.623,80.053 J4.B6@81.198,80.053 81.773,80.053 81.896,80.176 82.113,80.176 82.296,79.994 82.296,78.762 84.409,76.649 113.897,76.649 114.927,77.679 114.927,81.649 115.189,81.911 115.189,82.804 116.34,83.955 116.34,87.433 116.589,87.682 116.92,87.682 117.255,88.017 117.255,88.209 117.36,88.314 U1.111@117.36,89.027 117.36,89.744 117.913,90.297 118.491,90.297 119.888,91.694 122.704,91.694 124.482,89.916 126.492,89.916 127.381,89.027 v1(127.508,89.027)
  Bottom Layer w0.127: v1(127.508,89.027) 127.508,89.759 127.732,89.984 127.732,90.013 129.286,91.567 131.56,91.567 133.623,89.504 U2.72@135.636,89.504
USB_DP1: J3.A6 J3.B6 U11.3 | length 7.5
  Top Layer w0.127: J3.A6@81.198,104.929 80.357,104.929 80.19,104.762 80.19,103.96 80.264,103.886 81.155,103.886 J3.B6@81.198,103.929 82.258,103.929 82.423,103.764 83.058,103.764 84.719,102.104 U11.3@84.961,102.104
VAR1: C31.2 U1.117 | length 4.6
  Top Layer w0.127: U1.117@119.76,89.027 119.76,89.74 119.855,89.834 119.855,89.839 119.888,89.872 v1(119.888,90.678)
  Bottom Layer w0.127: C31.2@118.872,92.939 118.974,92.837 119.38,92.837 119.677,92.54 119.677,91.016 119.888,90.805 v1(119.888,90.678)
VAR2: C30.2 R2.2 U1.118 | length 4.3
  Top Layer w0.127: U1.118@120.16,89.027 120.16,90.104 120.65,90.594 v1(120.65,90.678)
  Bottom Layer w0.127: v1(120.65,90.678) 120.65,90.71 120.142,91.218 R2.2@120.142,91.694 C30.2@121.387,91.694
VO+: R9.1 U2.44 U7.5 | length 33.9
  Top Layer w0.127: U7.5@119.99,79.451 120.509,79.451 120.941,79.883 122.682,79.883 122.936,80.137 122.936,81.27 123.454,81.788 124.079,81.788 124.587,82.296 124.739,82.296 124.841,82.194 R9.1@124.841,82.296 ; R9.1@124.968,82.398 124.968,82.321 125.552,81.737 125.552,80.809 126.335,80.027 129.451,80.027 130.615,81.191 130.615,89.154 129.54,90.229 129.54,92.202 v1(133.731,96.393)
  Bottom Layer w0.127: v1(133.731,96.393) 133.85,96.512 135.628,96.512 U2.44@135.636,96.504
VO-: U2.42 U7.8 | length 33
  Top Layer w0.127: U7.8@119.99,77.521 120.834,77.521 121.381,76.975 126.759,76.975 130.869,81.085 130.869,89.349 129.902,90.316 129.887,90.316 129.813,90.39 129.813,92.116 133.582,95.885 133.985,95.885 134.171,96.071 134.171,97.096 v1(134.112,97.155)
  Bottom Layer w0.127: v1(134.112,97.155) 134.213,97.155 134.362,97.006 U2.42@135.635,97.006
WIFI_SDC_CLK: R22.2 U1.5 U5.17 | length 14
  Top Layer w0.127: U1.5@125.611,92.078 125.618,92.071 127.268,92.071 130.361,88.977 130.361,84.514 129.413,83.566 v1(129.413,83.541)
  Bottom Layer w0.127: U5.17@128.123,83.541 v1(129.413,83.541) 130.073,83.541 R22.2@130.175,83.439
WIFI_SDC_CMD: R21.2 U1.4 U5.16 | length 12.5
  Top Layer w0.127: U1.4@125.611,91.678 127.302,91.678 130.107,88.872 130.107,85.053 129.495,84.441 v1(129.413,84.441)
  Bottom Layer w0.127: U5.16@128.123,84.441 v1(129.413,84.441) 130.161,84.441 R21.2@130.175,84.455
WIFI_SDC_D0: R23.2 U1.3 U5.18 | length 15.1
  Top Layer w0.127: U1.3@125.611,91.278 127.343,91.278 129.853,88.767 129.853,85.158 129.595,84.9 129.095,84.9 128.768,84.572 128.768,83.322 v1(129.54,82.55)
  Bottom Layer w0.127: U5.18@128.341,82.423 U5.18@128.123,82.641 128.16,82.677 128.287,82.55 128.318,82.582 128.35,82.55 v1(129.54,82.55) 129.603,82.614 129.984,82.614 R23.2@130.175,82.423
WIFI_SDC_D1: R24.2 U1.2 U5.19 | length 14.1
  Top Layer w0.127: U1.2@125.611,90.878 126.927,90.878 v1(127.381,90.424)
  Bottom Layer w0.127: 127.102,83.16 127.097,83.164 ; v1(127.381,90.424) 127.068,90.111 127.068,87.579 126.433,86.944 126.433,83.829 127.097,83.164 ; R24.2@130.175,81.407 v1(129.54,81.407) 129.286,81.407 128.952,81.741 U5.19@128.123,81.741 127.754,81.741 127.097,82.397 127.097,83.164
WIFI_SDC_D2: R19.2 U1.1 U5.14 | length 9.3
  Top Layer w0.127: U1.1@125.611,90.478 126.185,90.478 126.232,90.43 126.74,90.43 127.186,89.984 128.278,89.984 129.413,88.848 v1(129.413,86.233)
  Bottom Layer w0.127: U5.14@128.123,86.241 129.413,86.241 129.878,86.241 130.124,86.487 R19.2@130.2,86.487
WIFI_SDC_D3: R20.2 U1.128 U5.15 | length 9.1
  Top Layer w0.127: U1.128@124.16,89.027 124.16,89.106 124.208,89.154 125.6,89.154 v1(129.413,85.341)
  Bottom Layer w0.127: U5.15@128.123,85.341 v1(129.413,85.341) 129.867,85.341 130.124,85.598 R20.2@130.2,85.598
pads on no net: A1.2 J1.1 J1.25 J1.26 J2.9 J2.G1 J2.G2 J3.0 J3.A5 J3.A8 J3.B5 J3.B8 J4.0 J4.A5 J4.A8 J4.B5 J4.B8 U1.77 U1.78 U1.81 U1.82 U1.83 U1.84 U1.86 U1.87 U1.89 U1.90 U1.91 U1.92 U1.100 U1.119 U2.7 U2.8 U2.15 U2.16 U2.39 U2.40 U2.41 U2.43 U2.45 U2.47 U2.49 U2.51 U2.53 U2.54 U2.69 U2.71 U5.4 U5.5 U5.6 U5.7 U5.8 U5.10 U5.11 U5.21 U5.23 U5.24 U5.25 U5.26 U5.27 U5.28 U5.29 U5.30 U5.32 U5.35 U5.37 U5.38 U5.39 U5.40 U7.9 U11.1 U11.10 U11.11 U11.12 U11.13 U11.14 U11.15 U11.16 U11.17 U11.18 U11.19 U11.22 U11.23 U11.24
copper on no net: | length 0.2
  Top Layer w0.127: 135.529,90.146 135.636,90.253

## Polygon pours and split planes (outlines as drawn)
GND on Bottom Layer "Bottom Layer-No Net" (solid, remove dead copper, pour order 2): 73.152,109.855 73.279,109.982 137.16,109.982 137.16,75.692 137.033,75.565 136.906,75.692 73.152,75.692 73.152,109.855
GND on Top Layer "Top Layer-No Net" (solid, remove dead copper, pour order 0): 73.152,109.855 73.279,109.982 137.16,109.982 137.16,74.93 136.906,74.676 135.89,75.692 73.152,75.692 73.152,109.855

## Keep-outs
Keep-Out Layer:
  lines w0.127: 73.152,91.341 73.152,75.692 132.786,75.692 ; 73.152,94.337 73.152,109.728 ; 73.152,109.855 132.786,109.855 132.786,108.933 ; 132.786,75.748 132.786,87.073 ; 133.786,88.073 136.786,88.073 ; 133.786,107.933 136.786,107.933 136.786,92.523 133.886,92.523 ; 133.886,91.223 136.786,91.223 136.786,88.073 ; 136.786,88.073 136.786,88.073
  lines w0.254: 73.152,94.337 cw(c73.152,92.837) 73.259,91.341 ; 132.786,87.073 cw(c133.786,87.073) 133.786,88.073 ; 132.786,108.933 ccw(c133.786,108.933) 133.786,107.933 ; 133.886,91.223 cw(c133.917,91.917) 133.223,91.948 cw(c133.842,91.904) 133.886,92.523

## Other copper
Top Layer:
  pour cut-out: 114.808,90.297 114.808,77.597 128.905,77.597 128.905,90.297
  pour cut-out: 134.493,108.331 136.906,108.331 136.906,86.233 134.493,86.233
  pour cut-out: 106.523,83.342 114.711,83.564 114.711,77.22 114.441,76.454 106.523,76.454
Bottom Layer:
  pour cut-out: 128.854,90.214 128.854,77.521 117.297,77.648 114.884,77.648 114.884,77.521 114.757,77.648 114.757,90.214
  pour cut-out: 116.205,82.169
  pour cut-out: 136.906,108.331 136.906,86.106 136.779,86.233 134.493,86.233 134.493,108.331
  pour cut-out: 105.41,84.455 114.935,84.455 114.554,77.377 114.554,76.581 114.466,75.748 105.41,75.946
  pour cut-out: 108.008,79.748 109.358,78.398 109.953,78.398 110.081,78.27 110.069,78.259 110.069,78.157 109.928,77.966 109.876,77.063 109.85,77.089 105.129,77.089 107.788,79.748

## Silkscreen, mask and mechanical layers (free items; w line width, h text height)
Bottom Overlay:
  drawing of 3417 lines, arcs and shapes, not listed

## Text inside footprints (layer, text, board x,y; h text height)
J3: Top Overlay "USB" at 77.503,106.457 h0.84 r270
J4: Top Overlay "USB" at 77.503,82.581 h0.84 r270